# Allegro board RK3576_Template_LP5D315P132SD8_25x36_2400MHz_H1R0_V11_20240530YWQ.brd (continued)
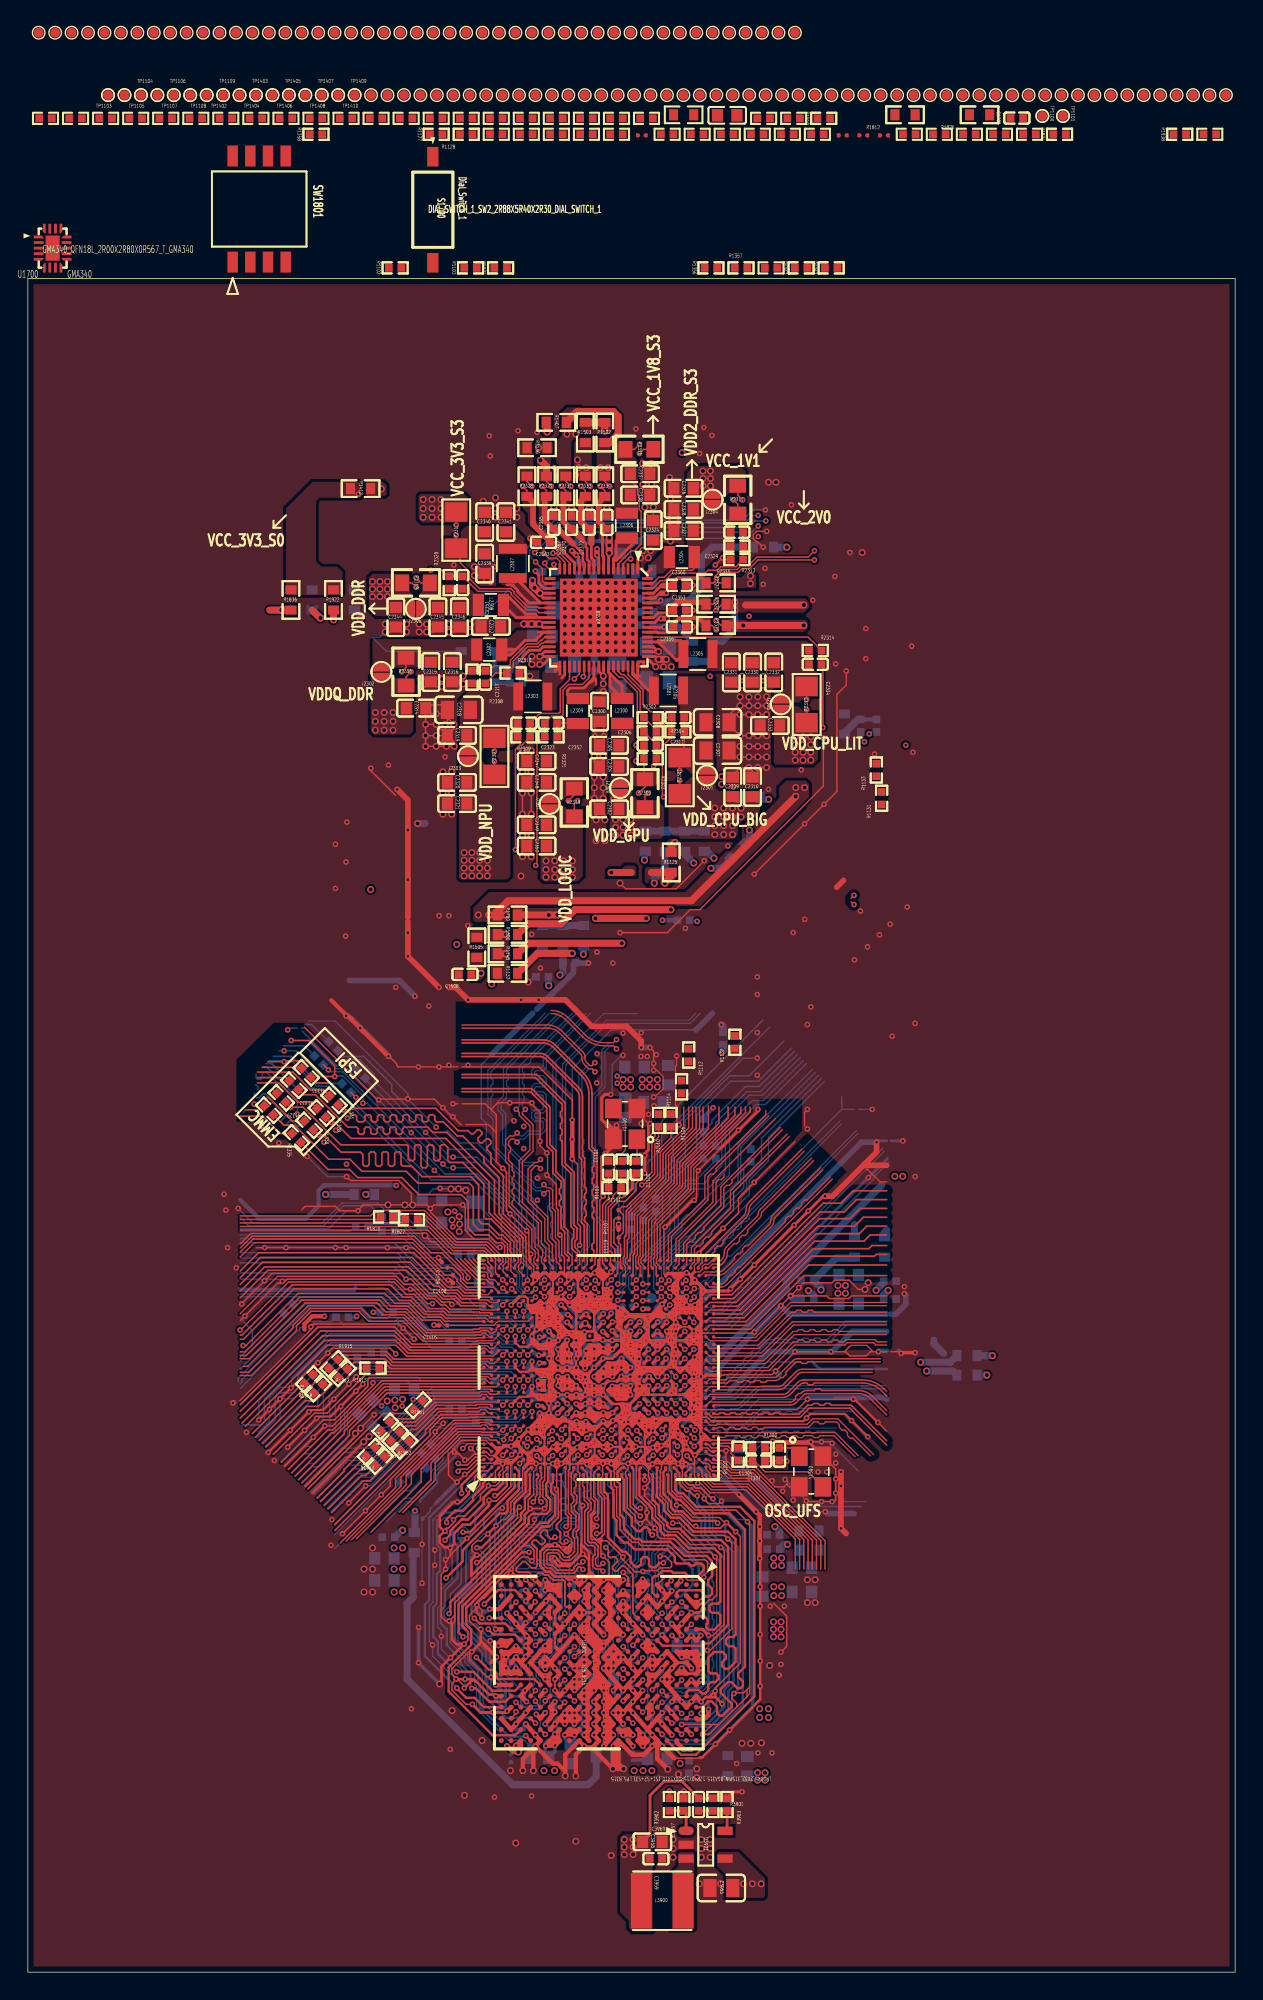
[diagram p0: board, top side]
## Routing (per net, layer and track width the routed paths; a pad name or vN(x,y) marks a point on that pad's centre or on a via; arc(x,y) is an arc through that point) (continued)
  TOP w0.229: U1000.2L9 43.95,44.73 ; U1000.2L9 43.3,45.38 ; U1000.2L9 43.3,44.73 ; 43.95,44.73 U1000.2L8 ; 43.95,44.73 v1(43.92,44.76) 43.97,44.76 44.27,45.06 ; v1(49.66,42.88) U1000.AL14 U1000.AK14 48.62,42.78 v1(48.37,42.78) ; U1000.1L20 39.52,47.93 ; U1000.1L20 40.12,47.93 ; U1000.1L20 39.65,47.46 39.4,47.46 U1000.1K20 ; 39.52,47.93 U1000.1K21 ; 39.52,47.93 U1000.1L21 ; 39.52,47.93 U1000.1K20 ; U1000.2B12 37.45,46.68 ; U1000.2B12 U1000.2C11 ; U1000.2B12 38.1,47.33 ; U1000.2B12 37.45,47.33 ; U1000.2B12 37.77,47.45 37.5,47.71 ; 37.45,46.68 U1000.2A11 ; 37.45,46.68 U1000.2B11 ; 37.45,46.68 U1000.2A12 ; 43.3,45.38 U1000.2K9 ; 43.3,45.38 U1000.2K10 ; 36.88,47.7 37.07,47.88 v1(37.12,47.88) ; 36.88,47.7 U1000.1F20 ; 36.88,47.7 37.12,47.46 U1000.2A12 ; v1(36.56,38.99) 36.56,38.97 ; v1(36.56,38.99) 36.76,39.19 36.76,39.77 ; v1(36.56,38.99) 36.47,38.99 U1000.1E6 ; v1(36.56,38.99) 36.58,38.99 U1000.1F6 ; 36.56,38.97 36.56,38.9 U1000.1F5 ; 36.56,38.97 U1000.1E5 35.97,38.89 v1(35.97,38.98) ; U1000.1Y6 45.57,39.58 U1000.2P1 ; U1000.1Y6 44.92,39.53 ; U1000.1Y6 44.89,38.91 ; U1000.1AC24 46.72,49.73 ; U1000.1AC24 U1000.1AB24 ; U1000.1AC24 47.23,50.24 v1(47.33,50.24) ; U1000.1AC24 46.86,50.2 ; 46.72,49.73 U1000.1AB23 ; 46.72,49.73 U1000.1AB24 ; U1000.2J5 42.64,42.78 v1(42.64,42.78) 42.65,42.78 U1000.2K5 43.29,42.78 v1(43.29,42.78) 43.3,42.78 ; v1(36.45,49.73) 36.45,49.81 U1000.1E24 36.42,50.23 36.63,50.23 U1000.1F24 ; v1(36.45,49.73) 36.43,49.72 36.43,49.65 U1000.1E23 ; v1(36.45,49.73) 36.52,49.73 U1000.1F24 ; 46.22,45.06 U1000.2R9 v1(46.55,44.73) ; 46.22,45.06 46.55,45.38 ; 46.22,45.06 45.89,45.39 45.9,45.39 ; 48.37,45.51 48.37,45.9 U1000.2V10 ; 48.37,45.51 48.37,45.25 ; 48.37,45.51 U1000.2V10 ; v1(38.28,37.78) 38.28,37.78 U1000.1H4 37.77,37.78 37.77,37.78 ; v1(38.28,37.78) 38.28,37.69 U1000.1H3 37.77,37.69 v1(37.77,37.73) 37.77,37.78 ; v1(38.28,37.78) 38.37,37.78 U1000.1J4 ; 47.2,43.43 U1000.2T6 46.22,43.76 ; 47.2,43.43 U1000.2U7 ; 47.2,43.43 U1000.2U6 ; v1(41.89,50.31) 42.12,50.53 U1000.V28 41.85,50.86 41.85,50.86 ; 36.53,39.54 36.82,39.25 ; 36.53,39.54 36.76,39.77 ; 36.53,39.54 U1000.1E6 ; 36.82,39.25 36.82,39.56 U1000.2A1 ; 36.82,39.25 U1000.1F6 ; 48.37,44.86 48.17,45.06 ; 48.37,44.86 48.37,44.6 ; 48.37,44.86 48.37,45.25 ; 48.17,45.06 48.37,45.25 ; 48.17,45.06 U1000.2U10 ; 48.17,45.06 U1000.2V9 ; 44.92,39.53 U1000.2N1 44.78,39.72 44.41,39.72 U1000.2M1 ; 44.92,39.53 U1000.1W6 44.89,38.96 v1(44.89,38.91) ; 44.92,39.53 44,39.53 v1(43.92,39.61) ; 46.12,47.33 U1000.1AB20 ; 46.12,47.33 46.03,47.24 45.99,47.24 ; 46.12,47.33 46.55,47.33 ; U1000.1AB20 46.72,47.33 ; U1000.1AB20 46.72,47.93 ; U1000.2G4 v1(40.7,42.13) ; U1000.2G4 v1(41.35,41.48) U1000.2H3 42.01,40.82 ; U1000.2G4 v1(40.7,41.48) ; U1000.2G4 41.34,42.13 v1(41.34,42.13) 41.38,42.17 41.38,42.17 U1000.2H5 ; v1(40.7,42.13) U1000.2F5 ; v1(40.7,42.13) U1000.2F4 40.05,42.13 ; v1(40.12,38.93) U1000.1L6 ; v1(40.12,38.93) U1000.1L5 39.48,38.97 ; v1(40.12,38.93) U1000.1M6 ; 39.72,45.71 39.72,45.06 ; 39.72,45.71 v1(39.4,45.38) ; 39.72,45.71 U1000.2E10 ; 39.72,45.06 v1(39.4,45.38) ; 39.72,45.06 U1000.2E9 40.05,45.38 U1000.2E10 ; U1000.1G6 37.12,39.53 ; U1000.1G6 37.42,39.23 ; U1000.1G6 37.77,39.58 U1000.2B1 ; U1000.1G6 37.12,38.93 ; 37.12,39.53 U1000.1F6 ; 37.12,39.53 U1000.2A1 ; 43.3,44.73 U1000.2K8 42.8,44.58 ; 43.3,44.73 U1000.2K9 ; 43.3,44.73 U1000.2L8 ; 37.5,47.71 U1000.1G20 ; 37.5,47.71 37.72,47.93 ; 44.27,47.01 U1000.2M12 ; 44.27,47.01 44.06,47.22 ; 44.27,47.01 44.6,46.68 U1000.2N12 ; 41.92,47.93 42.16,47.93 v1(42.38,47.71) ; 41.92,47.93 U1000.1P20 41.32,47.93 ; 41.92,47.93 U1000.1P21 ; U1000.2R1 46.55,39.53 46.55,39.36 U1000.1AB6 ; U1000.2R1 46.22,39.43 U1000.1AB6 ; U1000.2R1 46.21,39.86 46.02,39.67 45.76,39.67 U1000.2P1 ; U1000.1K21 v1(38.92,47.93) ; U1000.1K21 39.52,48.53 ; v1(37.42,40.18) 37.45,40.16 37.45,39.81 U1000.1H6 38.02,39.61 37.93,39.7 ; v1(37.42,40.18) 37.45,40.18 U1000.2B1 ; v1(37.42,40.18) 37.42,40.16 U1000.2A1 ; 41.32,47.93 U1000.1P21 ; 41.32,47.93 U1000.1N21 ; 41.32,47.93 U1000.1N20 ; U1000.1P21 41.32,48.53 ; U1000.1P21 41.9,48.51 v1(41.9,48.53) 41.9,48.56 U1000.1P22 ; U1000.1K24 39.42,50.23 39.63,50.23 U1000.1L24 ; U1000.1K24 39.03,50.23 38.82,50.23 U1000.1J24 ; U1000.1K24 38.94,49.75 v1(38.85,49.75) ; U1000.1K24 39.52,49.73 ; U1000.1G21 37.72,47.93 ; U1000.1G21 37.12,47.93 ; U1000.1G21 37.72,48.53 ; 37.72,47.93 U1000.1H20 ; U1000.1F20 36.82,47.31 ; U1000.1F20 36.58,47.39 ; U1000.1F20 36.22,47.63 ; U1000.1F20 36.52,47.93 ; U1000.1J24 38.85,49.81 v1(38.85,49.75) ; U1000.1J24 38.43,50.23 38.22,50.23 U1000.1H24 ; U1000.2K10 U1000.2J11 42.65,46.68 ; U1000.2K10 42.65,45.38 U1000.2K9 ; U1000.2K10 v1(43.31,46.05) ; U1000.2B4 v1(38.1,41.48) U1000.2B3 ; U1000.2B4 37.45,42.13 U1000.2B5 37.72,42.51 37.45,42.78 ; U1000.2B4 37.45,41.48 ; v1(35.97,38.98) U1000.1E6 ; v1(35.97,38.98) U1000.1D5 v1(35.29,38.3) 35.26,38.27 ; 43.41,47.22 U1000.2L12 43.83,47.22 ; 43.41,47.22 43.23,47.22 ; 43.41,47.22 43.41,47.22 43.83,47.22 ; v1(36.22,42.07) U1000.1E10 36.39,41.47 ; v1(43.95,42.1) 43.66,41.81 U1000.2L4 43.95,41.48 ; U1000.2U7 47.9,44.14 ; U1000.2U7 47.85,43.43 ; v1(39.4,45.38) U1000.2D9 v1(39.4,44.73) v1(39.4,45.38) ; v1(39.4,45.38) 39.4,45.38 ; U1000.2B6 v1(38.1,43.43) 37.77,43.76 ; U1000.2B6 37.45,42.78 ; U1000.2B6 U1000.2B7 37.77,43.76 ; 43.95,43.43 43.62,43.76 v1(43.92,44.06) 43.95,44.08 U1000.2L8 ; 43.95,43.43 U1000.2M6 ; 43.95,43.43 U1000.2L6 ; 43.95,43.43 43.95,42.79 v1(43.94,42.78) ; 40.7,45.38 40.77,45.46 ; 40.77,45.46 41.27,45.46 ; 40.77,45.46 40.77,45.96 40.7,46.03 ; v1(34.72,47.93) U1000.1C21 35.32,48.53 ; 43.83,47.22 44.06,47.22 ; v1(47.33,50.24) 47.41,50.24 U1000.1AD24 ; v1(47.33,50.24) 47.28,50.2 46.86,50.2 ; 36.58,47.39 36.58,46.19 v1(36.55,46.17) ; 36.58,47.39 36.23,47.39 36.12,47.5 36.12,47.54 36.22,47.63 ; U1000.1AB24 46.26,50.2 ; 46.26,50.2 46.86,50.2 ; 46.26,50.2 45.98,50.2 U1000.1AA24 ; U1000.2C11 38.75,46.03 ; U1000.2C11 38.1,46.03 ; v1(39.48,37.69) U1000.1K3 U1000.1J4 ; v1(39.48,37.69) 39.57,37.69 U1000.1L3 v1(40.12,37.73) ; v1(39.48,37.69) U1000.1L4 v1(40.12,37.73) ; U1000.1G20 37.42,47.36 37.45,47.33 ; U1000.1G20 37.1,47.31 36.82,47.31 ; U1000.1G20 37.17,47.88 v1(37.12,47.88) ; 46.22,43.76 v1(46.55,44.08) ; 46.22,43.76 U1000.2P6 ; 36.52,47.93 U1000.1F21 37.12,47.93 ; 36.52,47.93 36.47,47.88 ; v1(41.37,37.71) 41.34,37.71 41.27,37.78 ; v1(41.37,37.71) 41.39,37.71 41.46,37.78 41.85,37.78 41.88,37.75 41.88,37.69 U1000.1P3 41.37,37.69 v1(41.37,37.71) ; v1(41.37,37.71) 41.37,37.78 U1000.1P4 ; U1000.2G10 41.27,45.46 ; 41.27,45.46 v1(41.31,45.42) ; U1000.1J2 38.92,36.53 ; U1000.1N4 41.27,37.78 ; U1000.1N4 40.77,37.78 ; U1000.1N4 40.72,38.33 U1000.1M4 ; 41.27,37.78 40.77,37.78 ; U1000.2R11 v1(46.55,46.68) ; U1000.2R11 v1(46.55,46.03) U1000.2T11 v1(46.55,46.68) ; U1000.2R11 v1(45.9,46.03) U1000.2R10 ; v1(46.55,46.68) U1000.2R12 ; U1000.G29 36.07,51.54 v1(36.13,51.6) ; 38.12,48.34 38.54,48.34 ; 38.12,48.34 U1000.1H21 37.72,48.53 ; 38.12,48.34 v1(38.32,48.53) ; 38.54,48.34 38.35,48.53 v1(38.32,48.53) ; 38.54,48.34 38.62,48.26 U1000.1J21 v1(38.92,47.93) ; U1000.2P1 45.46,39.75 ; 44.89,38.91 v1(44.89,38.91) ; 44.89,38.91 44.95,38.91 U1000.1Y5 ; 44.71,47.22 44.81,47.22 U1000.1Y20 ; 44.71,47.22 44.06,47.22 ; 44.71,47.22 U1000.2N12 ; U1000.2F5 40.15,42.68 40.1,42.68 v1(40.05,42.73) 40.05,42.78 U1000.2E6 ; U1000.2F5 40.05,42.13 ; v1(38.85,49.75) 38.85,49.66 U1000.1J23 ; U1000.1L24 40,50.21 40.24,50.21 U1000.1M24 40.63,50.24 v1(40.72,50.24) ; U1000.1L24 39.52,49.73 ; U1000.2K1 U1000.2J1 42.32,39.73 42.55,39.5 ; U1000.2K1 U1000.2K2 ; U1000.2K1 42.97,39.68 v1(43.12,39.53) ; U1000.2K1 42.62,39.5 42.55,39.5 ; U1000.2K1 43.03,39.86 43.33,40.15 ; 40.12,47.93 U1000.1M20 ; 40.12,47.93 U1000.1M21 ; 40.12,47.93 U1000.1L21 ; U1000.1T5 42.52,38.93 U1000.1T6 ; U1000.1T5 43.08,38.38 v1(43.08,38.38) 43.08,38.38 U1000.1U4 ; U1000.1T5 42.52,38.33 ; 36.47,47.88 36.22,47.63 ; 36.47,47.88 35.92,47.88 ; v1(40.12,48.54) 40.13,48.54 U1000.1M22 v1(40.72,48.53) ; v1(40.12,48.54) 40.11,48.54 U1000.1L22 ; v1(40.12,48.54) 40.12,48.53 ; U1000.2V4 47.85,41.48 ; U1000.2V4 48.37,41.61 ; U1000.2V4 47.85,42.13 ; U1000.2V4 48.37,42 ; 47.85,41.48 U1000.2U3 ; 47.85,41.48 U1000.2V3 48.37,41.35 ; 47.85,41.48 U1000.2U4 ; U1000.2U11 v1(47.85,46.03) ; v1(47.85,46.03) U1000.2V10 ; v1(47.85,46.03) U1000.2U10 ; 46.72,48.53 U1000.1AB21 46.72,47.93 ; 46.72,48.53 U1000.1AB22 ; 46.72,48.53 U1000.1AC21 ; 42.65,46.68 U1000.2K12 ; 42.65,46.68 U1000.2J12 42.32,47.64 v1(42.38,47.71) ; U1000.2H10 41.36,46.02 v1(41.31,46.02) ; 39.22,39.26 39.2,39.26 38.92,39.54 38.87,39.54 ; 39.22,39.26 U1000.1K6 ; 39.22,39.26 39.22,39.35 v1(39.42,39.56) 39.5,39.56 U1000.1L6 ; U1000.1T3 43.07,37.69 43.07,37.69 ; U1000.1T3 U1000.1R2 ; U1000.1T3 42.52,37.73 ; U1000.2K2 43.26,40.22 ; U1000.2K2 43.26,40.8 ; U1000.2U6 v1(47.85,42.78) U1000.2U5 47.85,42.13 ; U1000.2U6 47.85,43.43 ; 48.37,40.31 48.37,40.05 48.36,40.05 ; 48.37,40.31 U1000.2V2 48.37,40.7 ; 48.37,40.31 48.37,40.7 ; 36.76,39.77 v1(36.76,40.16) ; 48.37,41.61 48.37,41.35 ; 48.37,41.61 48.37,42 ; 48.37,41.35 48.37,40.7 ; U1000.2K9 42.65,44.73 42.8,44.58 ; 40.12,48.53 U1000.1L21 ; 40.12,48.53 U1000.1M21 ; U1000.1L21 39.52,48.53 ; v1(47.32,37.71) 47.35,37.71 U1000.1AD3 v1(47.92,37.13) U1000.1AE3 48.36,37.57 48.36,37.89 ; v1(47.32,37.71) 47.3,37.71 U1000.1AC3 47.05,37.46 ; v1(47.32,37.71) 47.32,37.73 U1000.1AC4 ; v1(36.55,46.17) 36.22,45.84 v1(36.22,45.67) 36.22,45.57 ; v1(36.55,46.17) 36.93,46.17 U1000.2A11 ; U1000.1C4 35.26,37.8 ; U1000.1C4 35.26,38.27 ; U1000.1C4 34.81,37.82 34.21,37.82 34.18,37.8 ; U1000.1U6 43.42,39.23 ; 43.42,39.23 43.42,39.65 U1000.2L1 ; 43.42,39.23 v1(43.12,39.53) ; 48.36,40.05 U1000.2V1 47.85,39.53 ; 48.36,40.05 48.36,39.09 ; U1000.1L22 39.52,49.13 ; U1000.1L22 39.52,48.53 ; v1(36.22,43.87) U1000.1E13 36.55,43.11 U1000.2A6 37.45,42.78 ; 40.72,36.53 U1000.1M1 40.17,36.49 v1(40.17,36.49) ; 40.72,36.53 U1000.1N2 40.72,37.13 U1000.1M2 ; 40.72,36.53 U1000.1M2 ; U1000.1P22 41.32,48.53 ; U1000.1P22 41.32,49.13 ; U1000.1P22 v1(41.92,49.13) ; 41.32,48.53 U1000.1N21 ; U1000.1F3 37.12,37.73 U1000.1G3 ; U1000.1F3 36.62,37.64 36.52,37.64 v1(36.52,37.64) 36.52,37.64 36.42,37.64 U1000.1E3 ; U1000.1F3 37.12,37.13 U1000.1G3 ; 46.55,47.33 U1000.2R12 ; 46.55,47.33 46.72,47.33 ; U1000.2R12 45.99,47.24 ; U1000.2N12 45.22,47.31 ; 34.18,37.8 U1000.1A3 ; 34.18,37.8 35.26,37.8 ; 39.48,38.97 39.56,38.97 U1000.1L6 ; 39.48,38.97 U1000.1K6 ; U1000.T28 41.02,50.04 ; U1000.T28 U1000.T29 ; U1000.T28 40.72,50.28 v1(40.72,50.24) ; U1000.T28 41.07,50.58 41.32,50.34 ; 41.02,50.04 U1000.1N24 ; 41.02,50.04 41.32,50.34 ; 36.82,47.31 U1000.2A12 ; U1000.2M1 44.03,39.61 v1(43.92,39.61) ; U1000.2M1 43.95,40.18 ; v1(43.94,42.78) 43.95,42.78 U1000.2M6 ; v1(43.94,42.78) 43.94,42.78 43.62,42.46 ; v1(43.94,42.78) 43.3,42.78 ; v1(43.94,42.78) 43.94,42.79 U1000.2L6 ; U1000.2K12 42.65,47.33 ; U1000.2K12 43.18,47.22 43.23,47.22 ; 42.65,47.33 42.82,47.51 U1000.1T20 ; 42.65,47.33 42.65,47.33 ; 43.3,42.78 43.62,42.46 ; 43.3,42.78 U1000.2L6 ; 43.62,42.46 U1000.2L5 43.95,42.13 ; 46.12,36.53 U1000.1AA2 ; U1000.1AA2 46.12,37.13 ; U1000.1AA2 45.52,36.53 U1000.1Y2 v1(44.88,36.49) U1000.1W1 U1000.1V2 ; 45.99,47.24 45.81,47.24 U1000.2P12 45.27,47.31 45.22,47.31 ; U1000.2E10 39.4,46.03 ; U1000.2E10 v1(40,45.98) 39.45,45.98 39.4,46.03 ; 43.12,37.73 43.72,37.73 ; 43.12,37.73 43.07,37.69 ; 43.12,37.73 43.41,38.03 U1000.1U4 ; 43.72,37.73 43.42,37.44 ; 43.72,37.73 U1000.1U4 ; U1000.2P6 45.25,43.43 U1000.2N6 44.6,43.43 U1000.2M6 ; U1000.2P6 v1(45.25,42.78) ; v1(42.38,47.71) 42.38,47.6 42.65,47.33 ; v1(42.38,47.71) 42.75,47.71 U1000.1T20 ; 45.22,47.31 U1000.1Y20 ; 35.26,37.8 U1000.1D3 U1000.1C2 34.72,36.53 U1000.1B2 v1(34.12,36.53) U1000.1A2 ; 35.26,37.8 35.26,38.27 ; U1000.1F6 37.12,38.93 ; 37.12,38.93 U1000.1F5 ; U1000.1AA21 v1(45.57,47.98) U1000.1Y20 ; U1000.2U4 47.2,41.48 U1000.2U3 ; U1000.2U4 47.85,42.13 ; U1000.2U4 U1000.2U3 ; 47.85,39.53 U1000.2U1 ; 47.85,39.53 48.01,39.37 48.09,39.37 U1000.1AE6 48.36,39.09 ; U1000.2L1 43.62,39.63 U1000.1V6 U1000.1W5 44.89,38.91 v1(44.89,38.91) ; U1000.2L1 43.33,40.15 ; U1000.2L1 43.45,39.86 v1(43.12,39.53) ; U1000.2L1 43.95,40.18 ; U1000.1M21 v1(40.72,48.53) ; U1000.1M21 40.72,47.93 ; v1(40.72,48.53) U1000.1N21 ; U1000.2M4 43.95,41.48 ; U1000.2M4 44.6,41.48 ; U1000.2M4 44.57,42.1 v1(44.6,42.1) ; U1000.2M4 43.98,42.1 ; 43.95,41.48 U1000.2L3 43.26,40.8 ; U1000.2A12 37.45,47.33 ; U1000.2A12 36.8,46.68 U1000.2A11 ; 37.45,47.33 37.72,47.33 U1000.1H20 ; 42.52,36.53 v1(41.92,36.53) ; 42.52,36.53 U1000.1R1 v1(41.92,36.53) ; 42.52,36.53 U1000.1R2 ; v1(41.92,36.53) U1000.1R2 ; 48.37,42 48.37,42.26 ; 48.37,42.65 U1000.2V5 ; 48.37,42.65 48.37,42.26 ; 48.37,42.65 v1(48.37,42.78) ; U1000.2V5 47.85,42.13 ; U1000.2V5 48.37,42.26 ; 36.22,45.57 36.73,45.06 ; 36.22,45.57 U1000.1E16 36.4,45.06 36.73,45.06 ; v1(48.37,42.78) 48.37,42.91 ; 40.05,42.13 v1(40.05,42.13) ; 40.05,42.13 v1(40.05,42.13) ; U1000.1G3 37.69,37.71 37.77,37.78 ; U1000.1AB23 v1(46.12,49.13) U1000.1AB22 ; U1000.1AB23 46.72,49.13 U1000.1AB22 ; 37.72,48.53 U1000.1G22 37.72,49.13 ; 43.42,37.44 U1000.1U3 43.16,37.69 43.07,37.69 ; 43.42,37.44 U1000.1U4 ; U1000.1V2 U1000.1W3 ; U1000.1V2 43.72,36.53 U1000.1U2 v1(43.12,36.54) ; U1000.1N21 40.72,47.93 ; U1000.1N24 40.82,50.24 v1(40.72,50.24) ; U1000.1N24 41.32,49.73 U1000.1P24 ; U1000.1N24 U1000.1P24 ; v1(46.55,44.73) U1000.2T8 v1(46.55,44.08) ; v1(46.55,44.73) U1000.2R8 v1(46.55,44.08) ; v1(40.05,42.13) U1000.2E5 40.37,43.11 U1000.2F6 ; v1(43.92,39.61) 43.92,40.16 43.95,40.18 ; U1000.2V10 47.52,45.06 U1000.2U9 47.2,45.38 U1000.2U10 ; 43.23,47.22 U1000.1T20 ; U1000.2D10 39.4,46.03 ; U1000.2D10 38.75,46.03 ; U1000.2D10 39.4,45.38 ; 39.4,46.03 39.4,45.38 ; U1000.2L6 U1000.2M6 ; v1(43.12,39.53) 43.07,39.48 43.07,39.48 U1000.1T6 ; U1000.2C1 38.42,39.64 38.3,39.51 ; U1000.2C1 38.53,39.75 38.61,39.75 38.8,39.56 38.89,39.56 ; U1000.2C1 38.27,39.7 37.93,39.7 ; 48.37,44.21 48.37,43.95 ; 48.37,44.21 U1000.2V8 ; 48.37,44.21 48.37,44.6 ; 48.37,43.95 48.37,42.91 ; 48.37,43.95 U1000.2V7 ; 48.37,49.29 U1000.AK25 U1000.AL25 50.33,48.93 v1(50.48,49.09) v1(51.18,49.78) v1(52.2,50.8) v1(55.05,53.66) ; 48.37,49.29 U1000.1AE23 v1(47.92,49.73) ; 48.37,49.29 48.37,48.62 ; U1000.1M20 40.72,47.33 U1000.1N20 ; U1000.1M20 40.72,47.93 ; 48.37,47.78 48.37,47.49 ; 48.37,47.78 U1000.1AE20 ; 48.37,47.78 48.37,48.09 ; 48.37,47.49 48.37,46.81 ; 48.37,47.49 48.17,47.29 48.17,47.08 ; 48.37,47.49 U1000.1AE20 ; 37.12,45.06 v1(37.45,45.38) 37.77,45.06 ; 37.12,45.06 37.77,45.06 ; 37.12,45.06 37.41,44.77 ; U1000.1L6 39.82,39.34 40.05,39.57 40.06,39.57 v1(40.08,39.55) 40.11,39.55 U1000.1M6 ; U1000.2A9 36.73,45.06 ; 48.37,44.6 U1000.2V8 ; 47.9,44.14 47.9,44.03 U1000.2V7 ; 47.9,44.14 v1(47.9,44.17) 47.93,44.17 U1000.2V8 ; 37.45,40.86 37.45,40.83 U1000.2B3 ; 37.45,40.86 v1(37.42,40.86) U1000.2A3 ; 37.45,40.86 37.45,41.48 ; 37.77,45.06 v1(38.1,45.38) U1000.2C10 ; 37.77,45.06 U1000.2B9 37.48,44.77 ; U1000.1G24 37.72,49.73 U1000.1H24 ; U1000.1G24 37.62,50.23 37.83,50.23 U1000.1H24 ; U1000.1G24 37.23,50.23 37.02,50.23 U1000.1F24 ; 38.1,47.33 38.02,47.41 U1000.1H20 ; 38.1,47.33 U1000.2C12 U1000.2B11 ; 48.37,48.38 48.37,48.09 ; 48.37,48.38 48.37,48.62 ; 48.37,48.38 U1000.1AE21 48.37,48.09 ; v1(48.23,51.63) 48.17,51.58 U1000.AJ29 ; U1000.2N8 44.92,44.41 v1(45.24,44.73) ; v1(44.9,37.68) 44.9,37.71 ; U1000.2C10 38.75,46.03 ; U1000.2C10 38.1,46.03 ; 37.48,44.7 37.48,44.77 ; 37.48,44.7 37.41,44.77 ; 37.48,44.7 U1000.2B8 v1(37.45,44.08) 37.77,43.76 ; 37.48,44.77 37.41,44.77 ; U1000.2A3 37.45,41.48 ; U1000.2A3 36.7,41.16 36.39,41.47 ; U1000.2A3 36.81,41.47 36.39,41.47 ; U1000.2B3 37.77,41.16 37.45,41.48 ; U1000.2G12 41.05,47.01 v1(41.34,47.3) ; U1000.1A3 U1000.B5 ; U1000.1A3 33.69,37.3 33.69,37.25 33.55,37.11 U1000.1A2 ; U1000.1K6 38.92,38.93 ; v1(38.92,47.93) U1000.1K20 ; U1000.1AB6 46.72,38.93 v1(46.72,38.86) ; U1000.1AB6 46.12,38.93 U1000.1AB5 46.63,38.42 v1(46.73,38.42) ; 48.37,46.81 U1000.2V12 48.17,47.08 ; 48.37,46.81 48.37,46.55 ; 48.36,37.89 U1000.1AE4 48.36,38.17 ; 48.36,37.89 48.36,38.17 ; 48.17,47.08 47.92,47.33 ; 38.1,46.03 U1000.2B11 ; v1(40.12,37.73) U1000.1M4 ; U1000.1M6 40.72,38.93 U1000.1N6 41.02,39.24 41.35,39.56 41.35,39.57 v1(41.35,39.58) 41.35,39.5 U1000.1P6 41.65,39.23 v1(42.03,39.61) ; U1000.1M2 40.17,36.58 v1(40.17,36.49) ; 43.33,40.15 43.26,40.22 ; 42.37,47.06 42.65,47.33 ; U1000.2V7 47.85,43.43 ; U1000.2V7 U1000.2V6 ; U1000.AK6 48.57,38.63 v1(48.39,38.63) ; U1000.AK6 48.41,38.17 48.36,38.17 ; U1000.AK6 49,38.21 ; U1000.1AD20 47.92,47.33 ; U1000.1AD20 v1(47.32,47.93) U1000.1AC20 ; U1000.1AD20 47.32,47.33 U1000.1AC20 ; 47.92,47.33 U1000.1AE20 ; U1000.1J4 38.92,38.33 ; 42.39,44.48 42.49,44.58 42.8,44.58 ; U1000.1A2 33.55,36.56 ; 40.77,37.78 40.72,37.73 U1000.1M4 ; U1000.2B1 37.93,39.7 ; 47.85,43.43 47.85,43.43 ; 47.85,43.43 47.85,43.43 ; 47.85,43.43 U1000.2V6 ; 40.72,47.93 U1000.1N20 ; U1000.1D1 35.87,36.49 35.87,36.49 35.88,36.49 U1000.1E2 v1(36.52,36.53) ; 41.32,50.34 U1000.1P24 ; U1000.2A1 37.58,39.4 ; 48.37,42.91 U1000.2V6 ; 48.36,38.17 48.36,38.61 v1(48.39,38.63) ; 42.55,39.5 U1000.1T6 ; 46.72,47.33 U1000.1AC20 ; v1(41.88,63.04) 41.46,63.04 41.23,62.82 41.23,61.25 v1(41.66,60.83) ; v1(40.17,36.49) U1000.1L2 39.52,36.53 ; v1(39.4,41.48) U1000.2D3 v1(38.75,41.48) ; U1000.1AD24 v1(47.92,49.73) ; U1000.1AD24 47.89,50.3 ; U1000.2M11 44.32,46.41 ; 37.12,47.93 v1(37.12,47.88) ; 46.72,47.93 U1000.1AC21 ; 46.72,47.93 U1000.1AC20 ; v1(38.32,48.53) U1000.1J22 ; 48.36,39.09 48.36,38.66 v1(48.39,38.63) ; v1(35.02,43.87) U1000.1C13 ; 48.37,48.62 48.38,48.64 48.39,48.64 ; Y1100.4 42.06,59.38 v1(41.49,58.8) 41.23,58.55 41.23,55.92 41.33,55.82 v1(41.33,55.75) ; 43.26,40.22 43.26,40.8 ; 39.52,49.73 39.55,49.71 ; v1(39.4,44.08) U1000.2E8 ; v1(39.39,43.43) 39.4,43.43 U1000.2E6 ; v1(47.28,36.49) 47.27,36.49 U1000.1AC1 ; U1000.2R5 v1(46.55,42.13) U1000.2R4 45.97,41.56 45.97,41.48 ; v1(47.32,48.53) U1000.1AC21 ; v1(35.02,45.67) U1000.1C16 ; v1(49.55,51.41) U1000.AL29 ; v1(39.39,42.78) 39.4,42.78 U1000.2E6 ; v1(47.92,49.73) U1000.1AD23 ; 37.12,38.33 U1000.1F5
  TOP w0.254: v1(63.75,44.5) 62.84,44.5 62.76,44.42 ; 43.95,42.13 v1(43.95,42.1) 43.95,42.1 44.59,42.1 v1(44.6,42.1) ; 33.27,22.23 v1(33.67,22.63) 32.77,23.54 ; C1108.2 30.33,49.71 v1(30.2,49.71) ; v1(29.18,46.49) 29.21,46.46 C1115.2 ; v1(29.5,51.32) 29.56,51.26 29.56,51.19 C1109.2
  TOP w0.279: v1(39.97,16.23) U3900.N15
  TOP w0.305: v1(42.77,28.18) U3900.J1 ; v1(39.12,61.21) 39.12,59.82 v1(39.11,59.82) v1(39.11,58.42) ; 36.32,16.08 v1(36.47,16.23) 37.72,14.98 38.05,14.98 38.61,14.43 ; 36.32,16.08 v2(36.32,14.48) ; 36.32,16.08 35.56,15.32 v2(35.56,14.48) ; 40.64,16.2 40.64,16 v2(42.04,14.6) ; v1(39.97,16.23) 39.37,15.63 v2(39.37,14.1) ; v1(42.77,26.63) U3900.H3 v1(42.77,25.83) ; v1(25.91,65.79) v1(23.88,67.82) 23.24,68.45 23.24,68.45 23.09,68.61 23.01,68.61 21.81,69.81 ; 38.61,14.43 38.61,15.62 U3900.N15 ; 38.61,14.43 v2(38.61,14.1) ; v1(51.1,34.31) v1(52.32,33.08) 52.58,32.83 v1(52.58,32) v1(52.58,30.99) v1(52.58,29.72) ; U3900.G9 v1(43.47,21.03) ; U3900.G3 v1(44.17,26.63) ; v1(39.27,28.18) U3900.N1 ; v1(41.37,28.18) U3900.L1 ; v1(46.27,27.38) U3900.D2 ; U3900.AA5 v1(33.61,24.63) ; C1119.2 v1(42.44,53.74) ; U3900.U1 v1(36.47,28.18) ; U3900.R5 37.87,24.28 ; U3900.AA11 v1(33.61,19.83) ; v1(36.53,18.53) U3900.U13 ; 37.97,23.28 U3900.R7
  TOP w0.33: U3900.Y8 v1(35.07,22.63) U3900.W8 ; v1(42.77,18.63) U3900.J12 v1(42.07,18.63) U3900.J13 ; v1(42.77,18.63) U3900.J13 ; v1(42.77,18.63) U3900.H12 ; U3900.C5 v1(46.97,24.18) ; U3900.C5 v1(46.27,25.03) ; U3900.C5 v1(46.97,25.03) U3900.B4 v1(47.67,25.83) ; v1(34.42,25.78) U3900.Y4 v1(35.07,25.03) U3900.W5 ; 39.27,25.83 U3900.N3 v1(39.97,25.83) U3900.N4 39.27,25.83 ; 39.27,25.83 U3900.P4 v1(38.57,25.03) U3900.R5 37.87,25.03 ; U3900.L11 v1(40.67,19.43) U3900.L12 v1(40.67,18.63) U3900.L13 v1(40.67,17.83) U3900.L14 v1(40.67,17.03) U3900.L15 40.67,16.23 40.57,16.13 40.08,16.13 v1(39.97,16.23) ; U3900.D9 v1(46.27,21.03) U3900.D10 ; U3900.D9 v1(46.27,21.83) U3900.C8 U3900.D7 v1(45.57,22.63) U3900.E8 ; U3900.D9 v1(45.57,21.03) U3900.D10 ; U3900.E1 v1(45.57,27.43) U3900.D2 v1(45.57,26.63) U3900.E3 U3900.F2 v1(44.17,26.63) ; U3900.G5 v1(43.47,24.23) U3900.H6 ; U3900.G5 v1(43.47,25.03) U3900.H4 v1(42.77,25.83) U3900.J3 v1(42.77,26.63) ; U3900.G5 v1(44.17,24.23) ; U3900.W8 U3900.V9 ; U3900.W8 35.71,22.57 35.71,22.58 35.77,22.64 v1(35.77,22.66) 35.79,22.66 35.8,22.67 U3900.V7 v1(35.77,23.43) U3900.V6 35.86,24.15 v1(35.85,24.15) 35.85,24.16 U3900.W5 ; U3900.P13 v1(38.57,18.63) ; U3900.P13 v1(39.27,17.83) U3900.N13 v1(39.27,18.63) ; U3900.P13 v1(38.57,17.83) U3900.R13 ; U3900.P13 v1(39.27,18.63) ; v1(38.57,18.63) U3900.R13 ; v1(38.57,18.63) U3900.P12 v1(39.27,18.63) ; v1(39.27,28.18) 39.48,28.4 40.18,28.4 ; v1(42.77,28.18) 42.07,28.18 41.98,28.28 ; U3900.F8 v1(44.87,22.63) U3900.E8 ; U3900.F8 v1(44.17,21.83) U3900.G9 v1(43.47,21.83) U3900.H8 ; U3900.F8 v1(44.87,21.83) U3900.E8 ; v1(39.97,21.83) U3900.N9 ; v1(39.97,21.83) U3900.M9 39.97,21.04 v1(39.95,21.03) ; v1(39.97,21.83) U3900.M8 v1(39.97,22.63) ; v1(39.97,21.83) U3900.N8 ; U3900.N9 39.95,21.06 v1(39.95,21.03) ; U3900.N9 v1(39.27,21.83) ; U3900.N9 v1(39.27,21.03) ; U3900.K9 U3900.J10 ; U3900.K9 v1(42.07,21.83) ; U3900.K9 v1(41.37,21.83) U3900.K8 ; U3900.J10 v1(42.77,20.23) U3900.H10 ; U3900.J10 v1(42.07,20.23) ; U3900.J15 v1(42.07,16.23) 42.07,14.94 42.4,14.6 v2(42.8,14.6) 42.4,15.01 42.4,15.47 42.42,15.5 U3900.J15 ; U3900.J15 43.43,15.62 44.26,15.62 v1(44.87,16.23) U3900.E15 ; U3900.E15 v1(44.87,17.03) U3900.F14 ; U3900.E15 45.22,15.33 v2(45.97,14.58) ; U3900.E15 v1(45.57,16.23) 46.44,15.37 ; U3900.H10 v1(43.47,20.23) U3900.G11 ; U3900.H10 v1(43.47,21.03) ; U3900.L4 40.67,25.03 U3900.L5 v1(41.37,24.23) ; U3900.L4 v1(41.37,25.83) U3900.L3 ; U3900.L4 40.67,25.83 U3900.L3 ; U3900.U13 v1(37.17,18.63) ; v1(39.27,18.63) U3900.N12 ; v1(45.57,18.63) U3900.E13 ; U3900.E13 v1(45.57,17.83) U3900.D14 v1(46.27,17.03) ; U3900.E13 U3900.F14 ; U3900.J13 v1(42.77,17.83) ; v1(37.87,21.03) U3900.R9 v1(37.87,21.83) U3900.T8 ; U3900.F14 U3900.G13 v1(43.47,18.63) U3900.H12 ; v1(37.87,20.23) U3900.R11 v1(38.57,20.23) U3900.P10 ; U3900.J7 42.07,22.63 ; U3900.J7 42.07,23.43 U3900.K7 ; U3900.J7 v1(42.77,22.63) ; 42.07,22.63 U3900.J8 ; 42.07,22.63 U3900.K7 ; 42.07,22.63 U3900.K8 ; U3900.H12 v1(43.47,19.43) U3900.G11 ; 37.87,25.83 U3900.R3 U3900.T2 37.22,26.69 v1(37.22,26.66) 37.19,26.66 37.17,26.63 37.17,26.63 U3900.U3 v1(36.47,25.83) ; U3900.H8 v1(42.77,22.63) ; U3900.H8 v1(43.47,22.63) U3900.G7 ; v1(42.77,22.63) U3900.J8 ; U3900.D10 U3900.C11 ; 40.18,28.4 v1(39.97,28.18) U3900.N1 ; 40.18,28.4 40.32,28.53 ; U3900.R13 v1(37.87,17.83) U3900.T14 ; 40.32,28.53 U3900.L1 40.67,27.43 U3900.L2 40.67,26.63 U3900.L3 ; 40.32,28.53 40.58,28.28 41.46,28.28 ; U3900.N8 v1(39.27,21.83) ; U3900.N8 v1(39.97,22.63) ; v1(39.95,21.03) 39.95,21.01 U3900.N10 ; 41.98,28.28 41.46,28.28 ; 41.98,28.28 U3900.J1 ; 41.46,28.28 v1(41.37,28.18) ; U3900.J8 v1(42.07,21.83) ; U3900.B8 v1(47.67,21.83) ; U3900.G11 v1(44.17,20.23) ; U3900.C11 v1(46.97,19.43) U3900.B12 v1(47.67,19.43) U3900.A11 v1(48.37,19.43) ; U3900.C11 v1(46.27,19.43) ; v1(39.27,21.03) U3900.N10 ; v1(39.27,21.03) U3900.P10 ; U3900.N10 v1(39.27,20.23) U3900.P10 ; v1(42.07,21.83) U3900.K8 ; U3900.K8 41.37,22.63 U3900.K7 ; U3900.V10 v1(35.72,20.23) U3900.W11 v1(35.82,19.43) ; U3900.W5 35.77,25.11 v1(35.77,25.11) ; 37.17,21.83 v1(37.17,21.78) 37.17,21.81 37.17,21.81 37.17,21.83 ; 37.17,21.83 U3900.T8 ; 37.17,21.83 U3900.U8 37.17,22.63 U3900.T8 ; U3900.T8 37.87,22.63 U3900.R7 38.57,23.43 U3900.P6 v1(39.27,24.23) U3900.N6 39.97,23.43 U3900.M7 v1(39.97,22.63) ; v1(35.77,26.63) U3900.V2 v1(35.77,27.43) ; v1(39.27,21.83) U3900.P8 ; v1(36.47,16.23) U3900.U15 v1(36.47,17.03) U3900.V14 v1(35.77,17.83) ; U3900.D6 v1(45.57,24.23) ; U3900.Y12 v1(34.43,18.74)